# Altium PCB higgs.PcbDoc (part 18 of 25)
Units mm, origin at the board's own origin, x right, y up, seen from the top; angles counter-clockwise.
Board outline 160 x 160 mm, 15 copper layers (TOP, P1(GND), S1(V), P2(GND), S2(H), P3(GND), S3(V12/V2V5), S4(VDDR), P4(GND), S5(V), P5(GND), S6(H), P6(GND), P1(GND) (Plane1), BOT), stack 3.262 mm thick; 1283 components, 2419 nets, 11066 pads, 5487 vias.
Unrouted connection lines stored in the file: 239.
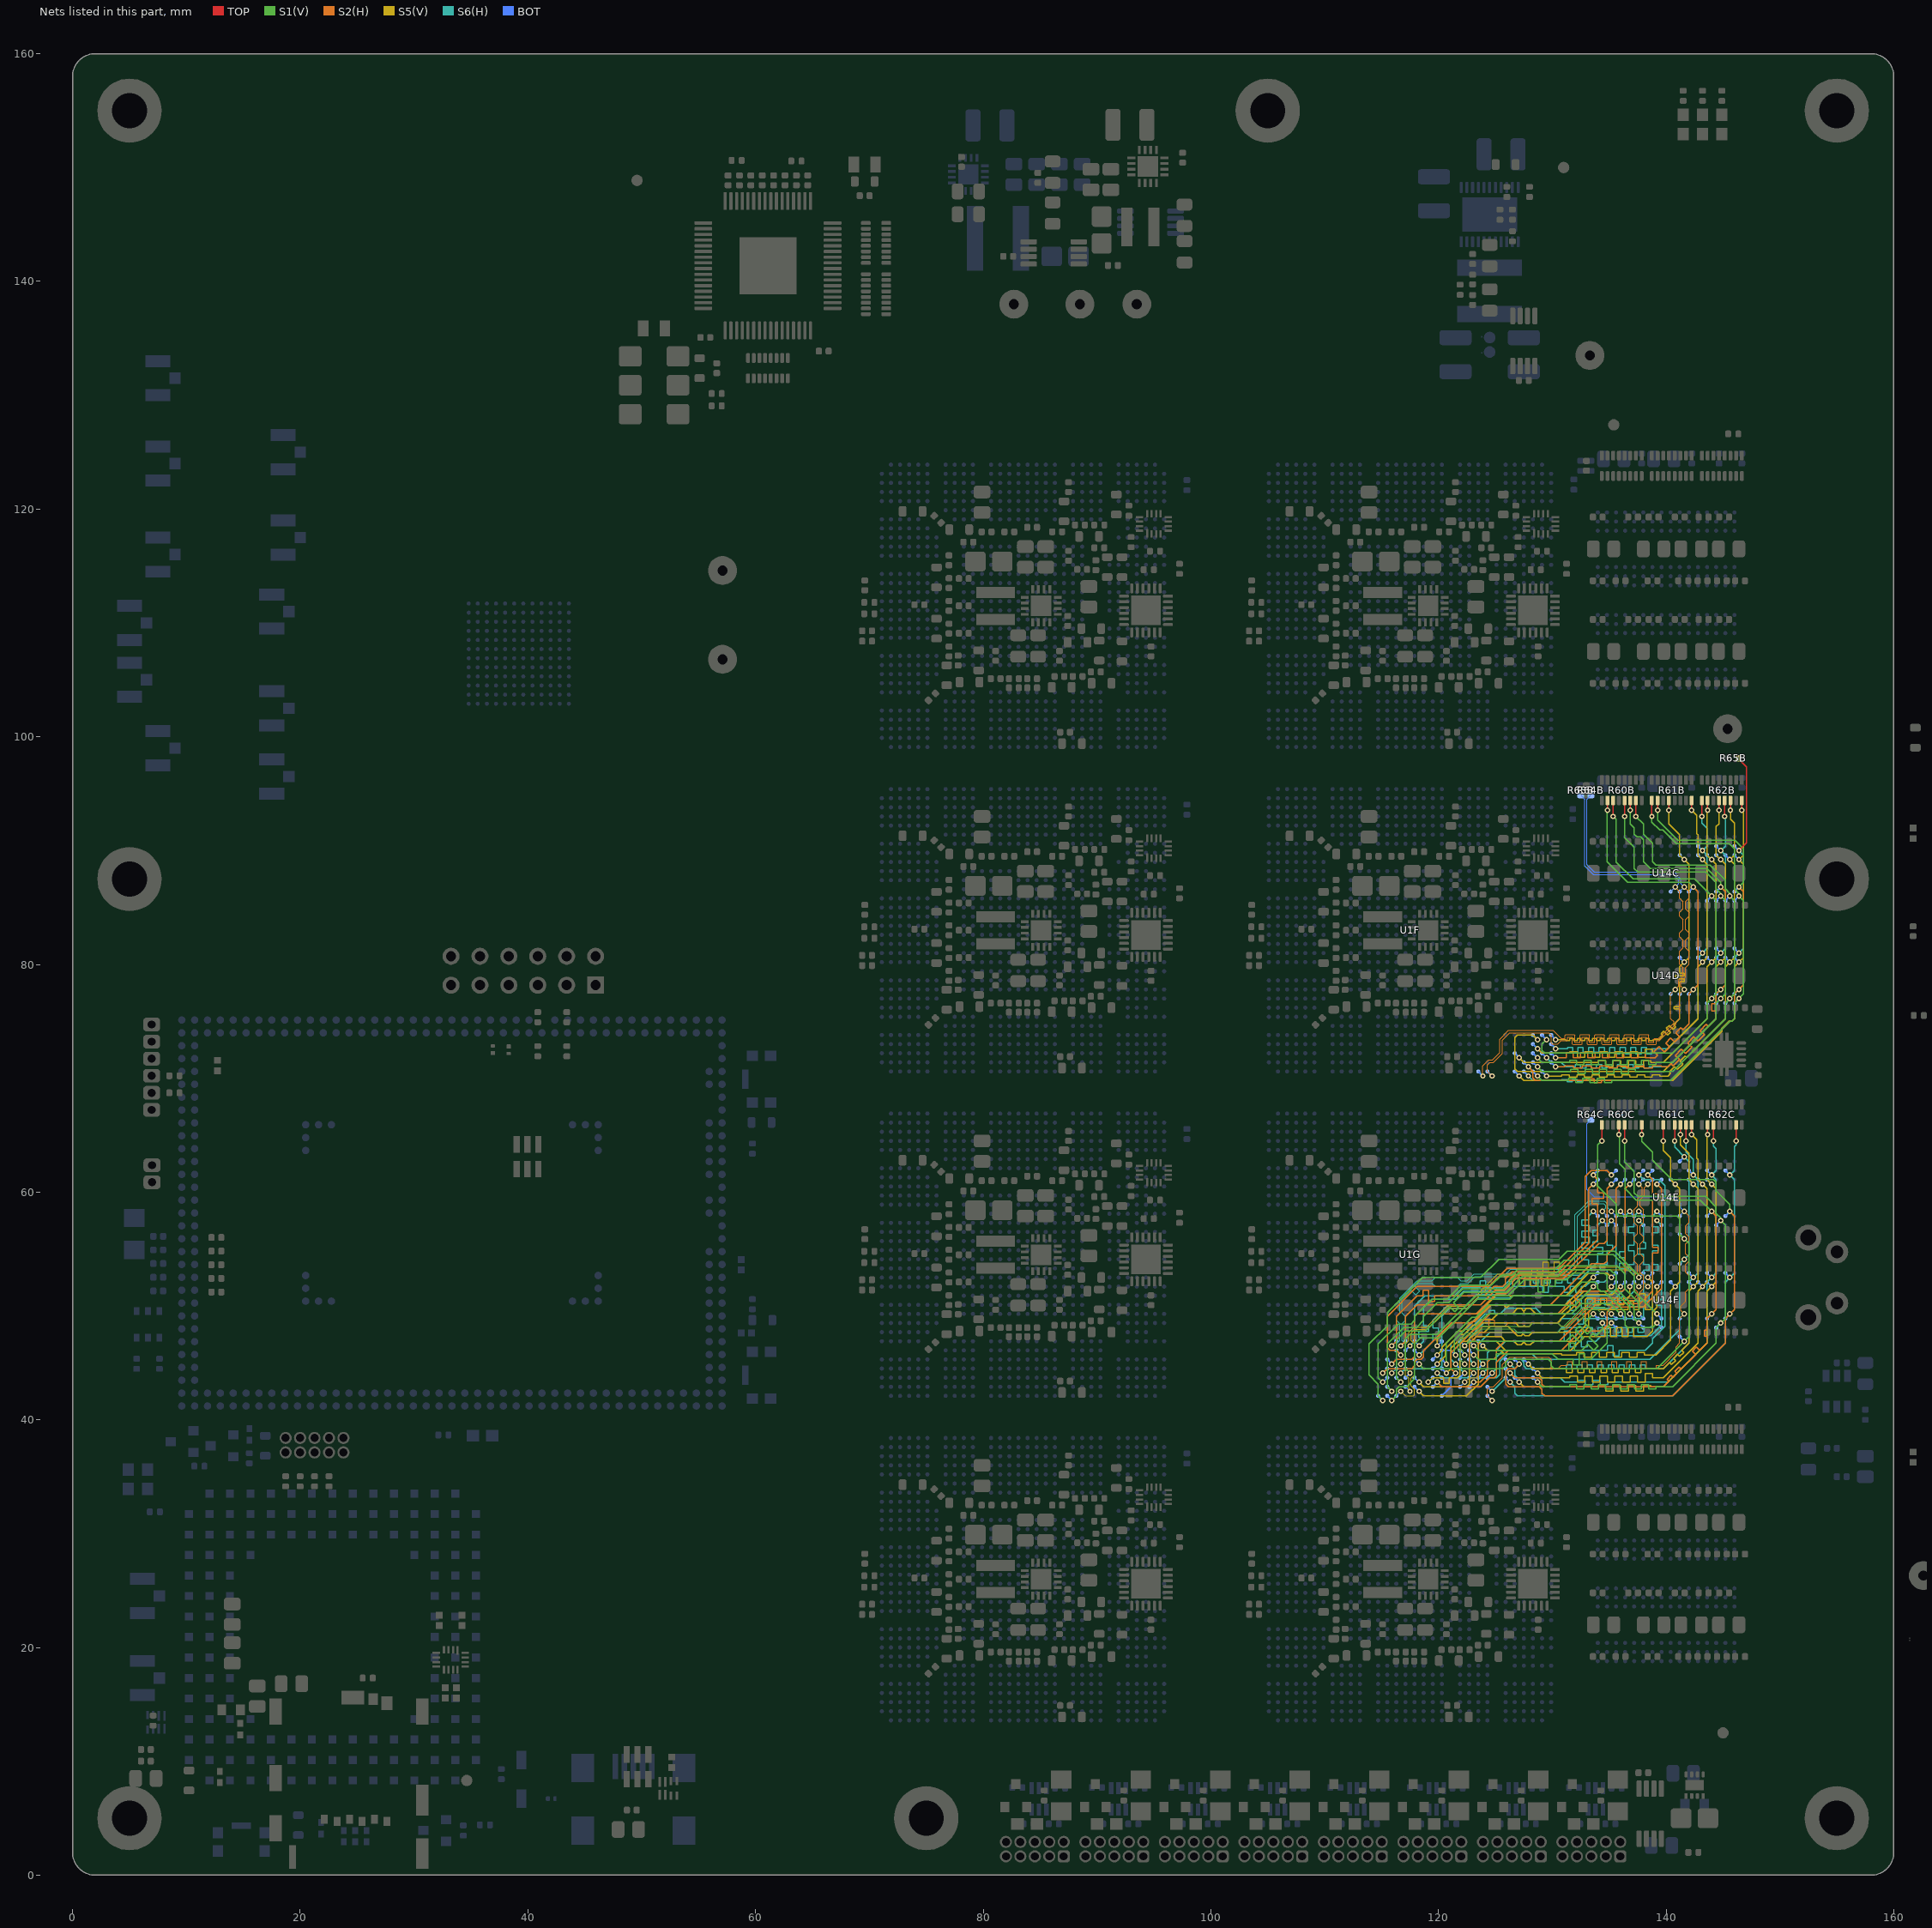
[diagram p31: the nets of this part, all layers, seen from the top]

## Via types
v1: diameter 0.483, hole 0.254, TOP to BOT, tented both sides, 5146 vias
v2: diameter 0.457, hole 0.254, TOP to BOT, tented both sides, 278 vias
v3: diameter 0.5, hole 0.25, TOP to BOT, 50 vias
v4: diameter 0.483/0/0/0/0.483/0/0/0.483 (per signal layer), hole 0.254, TOP to BOT, tented both sides, 7 vias
v5: diameter 0.483, hole 0.254, TOP to BOT, tented bottom, 5 vias
v6: diameter 0.483, hole 0.254, TOP to BOT, 1 vias

## Nets (pads, with @x,y where several pads share a name; then routed paths per layer and width w, separated by ;. In a path a pad name is that pad's centre, name@x,y a point inside that pad or via, vN(x,y) a via of type N, cw(c..) or ccw(c..) an arc to the next point about the centre after c; other vN are vias at no path point) (continued)
IL34_31.TB.G8.D2_P: R62B.2 U1F.AH30 U14C.N3 U14D.N3 | length 43
  TOP w0.102: v1(143.65,93.55) R62B.2@143.65,94.405
  S5(V) w0.102: v1(127.1,71.8) 127.5,71.4 134.031,71.4 134.031,71.525 134.694,71.525 134.694,71.03 135.357,71.03 135.357,71.525 136.02,71.525 136.02,71.03 136.683,71.03 136.683,71.525 137.346,71.525 137.346,71.03 138.009,71.03 138.009,71.525 138.672,71.525 138.672,71.4 139.766,71.4 143.6,75.234 143.6,79.8 v1(144,80.2) 144.4,80.6 144.4,88.8 v1(144,89.2) 143.6,89.6 143.6,93.5 v1(143.65,93.55)
  BOT w0.102: U1F.AH30@126.7,72.2 v1(127.1,71.8) ; U14D.N3@143.6,80.6 v1(144,80.2) ; U14C.N3@143.6,89.6 v1(144,89.2)
IL34_31.TB.G8.D3_N: R60B.5 U1F.AK30 U14C.P8 U14D.P8 | length 50.4
  TOP w0.102: v1(136.35,93) R60B.5@136.35,94.405
  S1(V) w0.102: v1(128.7,71.8) 129.1,71.4 131.516,71.4 131.516,71.59 132.149,71.59 132.149,71.21 132.782,71.21 132.782,71.59 133.415,71.59 133.415,71.21 134.048,71.21 134.048,71.59 134.681,71.59 134.681,71.21 135.314,71.21 135.314,71.59 135.947,71.59 135.947,71.21 136.58,71.21 136.58,71.59 137.213,71.59 137.213,71.21 137.846,71.21 137.846,71.59 138.479,71.59 138.479,71.21 139.112,71.21 139.112,71.4 140.567,71.4 144.4,75.234 144.4,76.6 v1(144.801,77) 145.201,77.4 145.201,85.6 v1(144.801,86) 144.801,86.234 144.401,86.634 144.401,86.9 144.4,87.2 143.486,88.114 137.517,88.114 137.2,88.431 137.2,90.3 136.35,91.15 v1(136.35,93)
  BOT w0.102: U1F.AK30@128.3,72.2 v1(128.7,71.8) ; U14D.P8@144.401,76.6 v1(144.801,77) ; U14C.P8@144.401,85.6 v1(144.801,86)
IL34_31.TB.G8.D3_P: R61B.8 U1F.AK29 U14C.M3 U14D.M3 | length 43
  TOP w0.102: v1(142.25,93.55) R61B.8@142.25,94.405
  S5(V) w0.102: v1(128.7,72.6) 129.1,72.2 131.531,72.2 131.531,72.33 132.194,72.33 132.194,71.83 132.857,71.83 132.857,72.33 133.52,72.33 133.52,71.83 134.183,71.83 134.183,72.33 134.846,72.33 134.846,71.83 135.509,71.83 135.509,72.33 136.172,72.33 136.172,71.83 136.835,71.83 136.835,72.33 137.498,72.33 137.498,71.83 138.161,71.83 138.161,72.57 138.824,72.57 138.824,72.2 139.766,72.2 142.8,75.234 142.8,79.8 v1(143.2,80.2) 143.6,80.6 143.6,88.8 v1(143.2,89.2) 142.8,89.6 142.8,91.384 142.7,91.484 142.7,93.1 v1(142.25,93.55)
  BOT w0.102: U1F.AK29@128.3,73 v1(128.7,72.6) ; U14D.M3@142.8,80.6 v1(143.2,80.2) ; U14C.M3@142.8,89.6 v1(143.2,89.2)
IL34_31.TB.G13.C_N: R64B.2 U1F.AE32 U14C.K7 U14D.K7 | length 59.8
  S2(H) w0.089: v1(124.7,70.2) 124.3,70.6 124.3,71.166 124.534,71.4 124.822,71.4 125.601,72.179 125.601,73.356 126.242,73.997 129.703,73.997 129.9,73.8 129.9,73.1 130,73 130.466,73 130.762,73.297 131.268,73.297 131.328,73.356 131.328,73.627 131.775,73.627 131.775,73.026 131.835,72.967 132.569,72.967 132.628,73.026 132.628,73.627 133.076,73.627 133.076,73.026 133.135,72.967 133.87,72.967 133.929,73.026 133.929,73.627 134.376,73.627 134.376,73.026 134.436,72.967 135.17,72.967 135.23,73.026 135.23,73.627 135.677,73.627 135.677,73.026 135.736,72.967 136.471,72.967 136.53,73.026 136.53,73.627 136.977,73.627 136.977,73.026 137.037,72.967 137.771,72.967 137.831,73.026 137.831,73.627 138.278,73.627 138.278,73.026 138.337,72.967 139.072,72.967 139.131,73.026 139.131,73.297 139.404,73.297 140.88,74.773 140.88,74.914 141.2,75.234 141.2,77.4 v1(141.6,77.8) 141.302,78.098 141.302,78.5 141.7,78.898 141.7,79 141.702,79.002 141.702,79.736 142,80.035 142,81.166 141.702,81.464 141.702,82.136 142,82.435 142,82.766 141.702,83.064 141.702,83.936 142,84.234 142,84.565 141.702,84.864 141.702,85.536 142,85.834 142,86.4 v1(141.6,86.8)
  BOT w0.089: R64B.2@133.4,94.855 133.052,94.507 133.052,88.748 133.696,88.103 140.683,88.103 141.302,87.484 141.302,87.098 v1(141.6,86.8) U14C.K7@141.2,86.4 ; U14D.K7@141.2,77.4 v1(141.6,77.8)
  BOT w0.102: U1F.AE32@124.3,70.6 v1(124.7,70.2)
IL34_31.TB.G13.C_P: R63B.2 U1F.AD32 U14C.J7 U14D.J7 | length 59
  S2(H) w0.089: v1(123.9,70.2) 123.9,71.1 124.403,71.603 124.738,71.603 125.398,72.263 125.398,73.44 126.158,74.2 130.066,74.2 130.766,73.5 131.125,73.5 131.125,73.77 131.184,73.83 131.919,73.83 131.978,73.77 131.978,73.17 132.425,73.17 132.425,73.77 132.485,73.83 133.219,73.83 133.279,73.77 133.279,73.17 133.726,73.17 133.726,73.77 133.785,73.83 134.52,73.83 134.579,73.77 134.579,73.17 135.026,73.17 135.026,73.77 135.086,73.83 135.82,73.83 135.88,73.77 135.88,73.17 136.327,73.17 136.327,73.77 136.387,73.83 137.121,73.83 137.181,73.77 137.181,73.17 137.628,73.17 137.628,73.77 137.687,73.83 138.422,73.83 138.481,73.77 138.481,73.17 138.928,73.17 138.928,73.44 138.988,73.5 139.32,73.5 140.677,74.857 140.677,74.957 140.4,75.234 140.4,77.4 v1(140.8,77.8) 141.099,78.098 141.099,78.584 141.497,78.982 141.497,79.084 141.499,79.086 141.499,79.736 141.2,80.035 141.2,81.166 141.499,81.464 141.499,82.136 141.2,82.435 141.2,82.766 141.499,83.064 141.499,83.936 141.2,84.234 141.2,84.565 141.499,84.864 141.499,85.536 141.2,85.834 141.2,86.4 v1(140.8,86.8)
  BOT w0.089: R63B.2@132.5,94.855 132.848,94.507 132.848,88.663 133.612,87.9 140.599,87.9 141.099,87.4 141.099,87.098 v1(140.8,86.8) U14C.J7@140.4,86.4 ; U14D.J7@140.4,77.4 v1(140.8,77.8)
  BOT w0.102: U1F.AD32@123.5,70.6 v1(123.9,70.2)
IL34_31.TB.G13.D0_N: R62B.1 U1F.AM29 U14C.M2 U14D.M2 | length 42.9
  TOP w0.102: v1(143.15,93) R62B.1@143.15,94.405
  S6(H) w0.102: v1(130.3,72.6) 131.331,72.6 131.331,72.695 131.794,72.695 131.794,72.285 132.257,72.285 132.257,72.695 132.72,72.695 132.72,72.285 133.183,72.285 133.183,72.695 133.646,72.695 133.646,72.285 134.109,72.285 134.109,72.695 134.572,72.695 134.572,72.258 135.035,72.258 135.035,72.695 135.498,72.695 135.498,72.16 135.961,72.16 135.961,72.695 136.424,72.695 136.424,72.16 136.887,72.16 136.887,72.695 137.35,72.695 137.35,72.16 137.813,72.16 137.813,72.695 138.276,72.695 138.276,72.16 138.739,72.16 138.739,72.6 140.166,72.6 142.8,75.234 142.8,80.6 v1(143.2,81) 143.6,81.4 143.6,89.6 v1(143.2,90) 143.6,90.4 143.6,91.984 143.15,92.434 v1(143.15,93)
  BOT w0.102: U1F.AM29@129.9,73 v1(130.3,72.6) ; U14D.M2@142.8,81.4 v1(143.2,81) ; U14C.M2@142.8,90.4 v1(143.2,90)
IL34_31.TB.G13.D0_P: R61B.4 U1F.AM28 U14C.K3 U14D.K3 | length 43.2
  TOP w0.102: v1(140.25,93.55) R61B.4@140.25,94.405
  S5(V) w0.102: v1(130.3,73.4) 131.199,73.4 131.199,73.305 131.532,73.305 131.532,73.495 131.865,73.495 131.865,73.305 132.198,73.305 132.198,73.495 132.531,73.495 132.531,73.305 132.864,73.305 132.864,73.495 133.197,73.495 133.197,73.305 133.53,73.305 133.53,73.495 133.863,73.495 133.863,73.305 134.196,73.305 134.196,73.495 134.529,73.495 134.529,73.305 134.862,73.305 134.862,73.495 135.195,73.495 135.195,73.305 135.528,73.305 135.528,73.495 135.861,73.495 135.861,73.305 136.194,73.305 136.194,73.495 136.527,73.495 136.527,73.305 136.86,73.305 136.86,73.495 137.193,73.495 137.193,73.305 137.526,73.305 137.526,73.495 137.859,73.495 137.859,73.305 138.192,73.305 138.192,73.495 138.525,73.495 138.525,73.305 138.858,73.305 138.858,73.4 139.366,73.4 139.719,73.753 139.554,73.918 139.79,74.154 140.139,73.804 140.375,74.04 140.025,74.389 140.261,74.625 140.61,74.275 140.846,74.511 140.661,74.695 141.2,75.234 141.2,76.092 140.705,76.092 140.705,76.295 141.2,76.295 141.2,78.48 141.58,78.48 141.58,78.733 140.82,78.733 140.82,78.986 141.58,78.986 141.58,79.239 141.2,79.239 141.2,79.8 v1(141.6,80.2) 142,80.6 142,88.8 v1(141.6,89.2) 141.2,89.6 141.2,91.4 140.25,92.35 v1(140.25,93.55)
  BOT w0.102: U1F.AM28@129.9,73.8 v1(130.3,73.4) ; U14D.K3@141.2,80.6 v1(141.6,80.2) ; U14C.K3@141.2,89.6 v1(141.6,89.2)
IL34_31.TB.G13.D1_N: R62B.4 U1F.AK28 U14C.P3 U14D.P3 | length 46.3
  TOP w0.102: v1(144.65,93.55) R62B.4@144.65,94.405
  S5(V) w0.102: v1(128.7,73.4) 128.301,73.799 126.935,73.799 126.701,73.565 126.701,70.835 126.935,70.601 127.699,70.601 ; v1(144.65,93.55) 144.65,92.349 144.4,92.1 144.4,90.1 144.401,89.6 v1(144.801,89.2) 145.201,88.8 145.201,80.6 v1(144.801,80.2) 144.4,79.8 144.4,75.234 139.767,70.6 127.7,70.6 ; 127.699,70.601 127.7,70.6
  BOT w0.102: U1F.AK28@128.3,73.8 v1(128.7,73.4) ; U14D.P3@144.401,80.6 v1(144.801,80.2) ; U14C.P3@144.401,89.6 v1(144.801,89.2)
IL34_31.TB.G13.D1_P: R60B.3 U1F.AL28 U14C.N8 U14D.N8 | length 45.1
  TOP w0.102: v1(135.35,93) R60B.3@135.35,94.405
  S1(V) w0.102: v1(129.5,73.4) 129.101,73.001 129.101,72.435 129.335,72.201 130.899,72.201 130.9,72.2 140.566,72.2 143.6,75.234 143.6,76.6 v1(144,77) 144.4,77.4 144.4,85.6 v1(144,86) 142.496,87.505 137.1,87.505 135.6,89.005 135.6,92.75 v1(135.35,93)
  BOT w0.102: U1F.AL28@129.1,73.8 v1(129.5,73.4) ; U14D.N8@143.6,76.6 v1(144,77) ; U14C.N8@143.6,85.6 v1(144,86)
IL34_31.TB.G13.D2_N: R65B.1 U1F.AJ32 U14C.T2 U14D.T2 | length 46.9
  TOP w0.102: R65B.1@146.345,98.08 147.074,97.351 147.074,90.674 v1(146.401,90)
  S6(H) w0.102: v1(127.9,70.2) 128.3,69.8 130.831,69.8 130.831,69.9 131.294,69.9 131.294,69.7 131.757,69.7 131.757,69.9 132.22,69.9 132.22,69.7 132.683,69.7 132.683,69.8 140.4,69.8 145.601,75.001 145.766,75.001 146.001,75.235 146.001,80.6 v1(146.401,81) 146.801,81.4 146.801,89.6 v1(146.401,90)
  BOT w0.102: U1F.AJ32@127.5,70.6 v1(127.9,70.2) ; U14D.T2@146.001,81.4 v1(146.401,81) ; U14C.T2@146.001,90.4 v1(146.401,90)
IL34_31.TB.G13.D2_P: R61B.1 U1F.AK32 U14C.T8 U14D.T8 | length 49.4
  TOP w0.102: v1(138.75,93) R61B.1@138.75,94.405
  S1(V) w0.102: v1(128.7,70.2) 129.1,69.8 131.416,69.8 131.416,69.99 132.049,69.99 132.049,69.61 132.682,69.61 132.682,69.99 133.315,69.99 133.315,69.61 133.948,69.61 133.948,69.99 134.581,69.99 134.581,69.61 135.214,69.61 135.214,69.8 140.4,69.8 145.601,75.001 145.766,75.001 146.001,75.235 146.001,76.6 v1(146.401,77) 146.801,77.4 146.801,85.6 v1(146.401,86) 146.401,86.234 146.001,86.634 146.001,86.9 146.001,90.166 145.567,90.6 140.9,90.6 139.7,91.8 139.431,91.8 138.75,92.481 v1(138.75,93)
  BOT w0.102: U1F.AK32@128.3,70.6 v1(128.7,70.2) ; U14D.T8@146.001,76.6 v1(146.401,77) ; U14C.T8@146.001,85.6 v1(146.401,86)
IL34_31.TB.G13.D3_N: R62B.5 U1F.AL30 U14C.P2 U14D.P2 | length 42.8
  TOP w0.102: v1(145.15,93) R62B.5@145.15,94.405
  S6(H) w0.102: v1(129.5,71.8) 129.9,71.4 130.8,71.4 131.2,71 132.031,71 132.031,71.21 132.494,71.21 132.494,70.905 132.957,70.905 132.957,71.21 133.42,71.21 133.42,70.905 133.883,70.905 133.883,71.21 134.346,71.21 134.346,70.905 134.809,70.905 134.809,71.21 135.272,71.21 135.272,70.905 135.735,70.905 135.735,71.21 136.198,71.21 136.198,70.905 136.661,70.905 136.661,71.21 137.124,71.21 137.124,70.905 137.587,70.905 137.587,71.21 138.05,71.21 138.05,70.905 138.513,70.905 138.513,71 140.167,71 144.4,75.234 144.4,80.6 v1(144.801,81) 145.201,81.4 145.201,89.6 v1(144.801,90) 145.201,90.4 145.201,92.949 v1(145.15,93)
  BOT w0.102: U1F.AL30@129.1,72.2 v1(129.5,71.8) ; U14D.P2@144.401,81.4 v1(144.801,81) ; U14C.P2@144.401,90.4 v1(144.801,90)
IL34_31.TB.G13.D3_P: R60B.2 U1F.AM30 U14C.L7 U14D.L7 | length 49.6
  TOP w0.102: v1(134.85,93.55) R60B.2@134.85,94.405
  S1(V) w0.102: v1@134.799,93.55 134.799,89.035 136.634,87.2 142,87.2 v1(142.4,86.8)
  S2(H) w0.102: v1(130.3,71.8) 131.216,71.8 131.216,72.26 131.849,72.26 131.849,71.8 132.482,71.8 132.482,72.26 133.115,72.26 133.115,71.8 133.748,71.8 133.748,72.26 134.381,72.26 134.381,71.8 135.014,71.8 135.014,72.26 135.647,72.26 135.647,71.8 136.28,71.8 136.28,72.26 136.913,72.26 136.913,71.8 137.546,71.8 137.546,72.26 138.179,72.26 138.179,71.8 139.025,71.8 139.249,72.024 138.924,72.349 139.371,72.797 139.882,72.286 140.329,72.734 140.144,72.919 139.962,73.101 140.41,73.549 140.592,73.367 140.777,73.181 141.225,73.629 141.039,73.814 140.857,73.996 141.305,74.444 141.487,74.262 142,74.775 142,75.375 142,77.4 v1(142.4,77.8) 142.8,78.2 142.8,86.4 v1(142.4,86.8)
  BOT w0.102: U1F.AM30@129.9,72.2 v1(130.3,71.8) ; U14D.L7@142,77.4 v1(142.4,77.8) ; U14C.L7@142,86.4 v1(142.4,86.8)
IL34_31.TB.G13.D4_N: R61B.2 U1F.AJ31 U14C.T7 U14D.T7 | length 49.5
  TOP w0.102: v1(139.25,93.55) R61B.2@139.25,94.405
  S1(V) w0.102: v1@139.3,93.55 139.25,93.5 139.25,92.681 141.026,90.905 146.062,90.905 146.801,90.166 146.801,87.2 v1(146.401,86.8)
  S2(H) w0.102: v1(127.9,71) 128.3,70.6 128.3,70.034 128.534,69.8 133.014,69.8 133.014,69.97 133.677,69.97 133.677,69.63 134.34,69.63 134.34,69.8 140.4,69.8 145.601,75.001 145.766,75.001 146.001,75.235 146.001,77.4 v1(146.401,77.8) 146.801,78.2 146.801,86.4 v1(146.401,86.8)
  BOT w0.102: U1F.AJ31@127.5,71.4 v1(127.9,71) ; U14D.T7@146.001,77.4 v1(146.401,77.8) ; U14C.T7@146.001,86.4 v1(146.401,86.8)
IL34_31.TB.G13.D4_P: R60B.7 U1F.AK31 U14C.R8 U14D.R8 | length 49.6
  TOP w0.102: v1(137.35,93) R60B.7@137.35,94.405
  S1(V) w0.102: v1(128.7,71) 129.1,70.6 131.616,70.6 131.616,70.79 132.249,70.79 132.249,70.41 132.882,70.41 132.882,70.79 133.515,70.79 133.515,70.41 134.148,70.41 134.148,70.79 134.781,70.79 134.781,70.41 135.414,70.41 135.414,70.79 136.047,70.79 136.047,70.41 136.68,70.41 136.68,70.79 137.313,70.79 137.313,70.6 140.567,70.6 145.201,75.234 145.201,76.6 v1(145.601,77) 146.001,77.4 146.001,85.6 v1(145.601,86) 145.601,86.234 145.201,86.634 145.201,86.8 145.201,87.4 143.877,88.724 139.111,88.724 138.8,89.035 138.8,90.635 138,91.435 138,92.35 v1(137.35,93)
  BOT w0.102: U1F.AK31@128.3,71.4 v1(128.7,71) ; U14D.R8@145.201,76.6 v1(145.601,77) ; U14C.R8@145.201,85.6 v1(145.601,86)
IL34_31.TB.G13.D5_N: R62B.6 U1F.AL32 U14C.R3 U14D.R3 | length 43
  TOP w0.102: v1(145.65,93.55) R62B.6@145.65,94.405
  S5(V) w0.102: v1(129.5,70.2) 130.831,70.2 130.831,70.295 131.494,70.295 131.494,70.105 132.157,70.105 132.157,70.295 132.82,70.295 132.82,70.105 133.483,70.105 133.483,70.295 134.146,70.295 134.146,70.105 134.809,70.105 134.809,70.295 135.472,70.295 135.472,70.105 136.135,70.105 136.135,70.295 136.798,70.295 136.798,70.105 137.461,70.105 137.461,70.295 138.124,70.295 138.124,70.105 138.787,70.105 138.787,70.295 139.45,70.295 139.45,70.2 140.167,70.2 140.401,70.434 140.274,70.562 140.743,71.031 140.87,70.903 140.997,70.776 141.466,71.245 141.339,71.372 141.211,71.499 141.68,71.968 141.807,71.841 145.201,75.234 145.201,79.8 v1(145.601,80.2) 146.001,80.6 146.001,88.8 v1(145.601,89.2) 146.001,89.6 146.001,92.399 145.65,92.75 v1(145.65,93.55)
  BOT w0.102: U1F.AL32@129.1,70.6 v1(129.5,70.2) ; U14D.R3@145.201,80.6 v1(145.601,80.2) ; U14C.R3@145.201,89.6 v1(145.601,89.2)
IL34_31.TB.G13.D5_P: R60B.6 U1F.AM31 U14C.P7 U14D.P7 | length 49.7
  TOP w0.102: v1(136.85,93.55) R60B.6@136.85,94.405
  S1(V) w0.102: v1@136.9,93.55 136.85,93.5 136.85,92.35 137.2,92 137.2,91.435 137.434,91.2 137.765,91.2 138,90.966 138,89.2 ; 138,89.2 138,89.035 138.615,88.419 143.612,88.419 144.801,87.231 v1(144.801,86.8)
  S2(H) w0.102: v1(130.3,71) 131.086,71 131.086,71.095 131.859,71.095 131.859,70.905 132.632,70.905 132.632,71.095 133.405,71.095 133.405,70.905 134.178,70.905 134.178,71.095 134.951,71.095 134.951,70.905 135.724,70.905 135.724,71.095 136.497,71.095 136.497,70.905 137.27,70.905 137.27,71.095 138.043,71.095 138.043,70.905 138.816,70.905 138.816,71.095 139.589,71.095 139.589,71 140.167,71 140.44,71.273 140.624,71.089 141.171,71.635 140.986,71.82 140.802,72.004 141.348,72.551 141.533,72.366 141.718,72.182 142.264,72.729 142.08,72.913 141.895,73.098 142.442,73.644 142.811,73.275 143.357,73.822 142.988,74.191 143.535,74.737 143.719,74.553 144.4,75.234 144.4,75.4 144.401,75.917 144.011,75.917 144.011,76.55 144.401,76.55 144.401,77.4 v1(144.801,77.8) 145.201,78.2 145.201,86.4 v1(144.801,86.8)
  BOT w0.102: U1F.AM31@129.9,71.4 v1(130.3,71) ; U14D.P7@144.401,77.4 v1(144.801,77.8) ; U14C.P7@144.401,86.4 v1(144.801,86.8)
IL34_31.TB.G13.D6: R62B.8 U1F.AH32 U14C.T3 U14D.T3 | length 43.1
  TOP w0.102: v1(146.65,93.55) R62B.8@146.65,94.405
  S5(V) w0.102: v1(127.1,70.2) 127.5,69.8 140.567,69.8 144.9,74.133 ; 144.9,74.1 144.9,74.133 ; v1(146.65,93.55) 146.801,93.399 146.801,89.6 v1(146.401,89.2) 146.801,88.8 146.801,80.6 v1(146.401,80.2) 146.001,79.8 146.001,75.234 145.767,75.001 145.501,75.001 144.9,74.4 144.9,74.133
  BOT w0.102: U1F.AH32@126.7,70.6 v1(127.1,70.2) ; U14D.T3@146.001,80.6 v1(146.401,80.2) ; U14C.T3@146.001,89.6 v1(146.401,89.2)
IL34_32.LR.G0.D0_N: U1G.P29 U14E.D3 | length 32.7
  S2(H) w0.102: v1(115.1,44.1) 115.5,44.5 117.666,44.5 117.9,44.734 117.9,45.066 118.134,45.3 118.466,45.3 118.7,45.534 118.7,46.069 121.131,48.5 122.94,48.5 124.54,50.1 129.85,50.1 133.45,53.7 134.565,53.7 134.799,53.935 134.799,54.5 135.6,55.301 135.6,60.3 v1(136,60.7)
  BOT w0.102: v1(115.1,44.1) U1G.P29@115.5,44.5 ; v1(136,60.7) U14E.D3@136.4,61.1
IL34_32.LR.G0.D0_P: U1G.P28 U14E.C3 | length 32
  S2(H) w0.102: v1(115.9,44.9) 116.3,45.3 117.666,45.3 117.9,45.534 117.9,49.066 118.134,49.3 119.5,49.3 123.309,49.3 125.099,51.09 125.918,51.09 126.51,51.682 126.51,52.143 126.752,52.386 130.973,52.386 134.087,55.5 134.565,55.5 134.799,55.734 134.799,56 ; 134.799,56 134.799,60.3 v1(135.199,60.7)
  BOT w0.102: U1G.P28@115.5,45.3 v1(115.9,44.9) ; v1(135.199,60.7) U14E.C3@135.599,61.1
IL34_32.LR.G0.D1_N: U1G.T26 U14E.A2 | length 31.6
  S2(H) w0.102: v1(116.7,46.5) 117.1,46.9 117.1,49.066 118.134,50.1 123.678,50.1 124.973,51.395 125.792,51.395 126.205,51.808 126.205,52.269 126.626,52.69 130.847,52.69 133.999,55.843 133.999,58.943 133.504,58.943 133.504,59.446 134.495,59.446 134.495,59.949 133.999,59.949 133.999,61.1 v1(133.599,61.5)
  BOT w0.102: v1(116.7,46.5) U1G.T26@117.1,46.9 ; v1(133.599,61.5) U14E.A2@133.999,61.9
IL34_32.LR.G0.D1_P: U1G.R26 U14E.A3 | length 31.1
  S2(H) w0.102: v1(115.9,46.5) 116.3,46.9 116.3,48.8 116.3,49.066 118.134,50.9 118.651,50.9 118.651,51.395 119.154,51.395 119.154,50.405 119.657,50.405 119.657,50.9 124.047,50.9 124.847,51.7 125.666,51.7 125.9,51.934 125.9,52.395 126.5,52.995 130.721,52.995 133.199,55.474 133.199,60.3 v1(133.599,60.7)
  BOT w0.102: v1(115.9,46.5) U1G.R26@116.3,46.9 ; v1(133.599,60.7) U14E.A3@133.999,61.1
IL34_32.LR.G0.D2_N: U1G.T27 U14E.A7 | length 32.9
  S6(H) w0.102: v1(117.5,46.5) 117.9,46.9 117.9,50 118.8,50.9 121.4,50.9 122.1,51.6 123.651,51.6 123.651,52.2 124.154,52.2 124.154,51.6 125.569,51.6 126.674,52.705 132.405,52.705 133.199,53.499 133.199,54.052 132.6,54.052 132.6,54.555 133.266,54.555 133.266,55.058 132.6,55.058 132.6,55.561 133.255,55.561 133.255,56.063 132.6,56.063 132.6,56.566 133.255,56.566 133.255,57.069 132.6,57.069 132.6,57.572 133.199,57.572 133.199,57.9 v1(133.599,58.3)
  BOT w0.102: U1G.T27@117.1,46.1 v1(117.5,46.5) ; v1(133.599,58.3) U14E.A7@133.999,57.9
IL34_32.LR.G0.D2_P: U1G.R27 U14E.C2 | length 33.9
  S2(H) w0.102: v1(116.7,45.7) 116.3,46.1 115.736,46.1 115.501,46.335 115.501,46.499 115.5,46.5 115.5,49.066 118.134,51.7 124.416,51.7 126.016,53.3 130.594,53.3 132.894,55.6 132.894,61.361 133.434,61.9 134.799,61.9 v1(135.199,61.5)
  BOT w0.102: U1G.R27@116.3,46.1 v1(116.7,45.7) ; v1(135.199,61.5) U14E.C2@135.599,61.9
IL34_32.LR.G0.D3_N: U1G.U26 U14E.B8 | length 33
  S6(H) w0.102: v1(118.3,46.5) 118.7,46.9 118.7,47.243 118.26,47.243 118.26,47.746 119.14,47.746 119.14,48.249 118.7,48.249 118.7,49.866 119.43,50.595 121.526,50.595 122.226,51.295 125.695,51.295 126.8,52.4 128.328,52.4 128.328,52.005 128.831,52.005 128.831,52.4 129.334,52.4 129.334,52.005 129.837,52.005 129.837,52.4 130.34,52.4 130.34,52.005 130.843,52.005 130.843,52.4 131.346,52.4 131.346,52.005 131.849,52.005 131.849,52.4 132.531,52.4 133.999,53.868 133.999,54.637 134.439,54.637 134.439,55.14 133.56,55.14 133.56,55.643 133.999,55.643 133.999,56.146 133.56,56.146 133.56,56.649 133.999,56.649 133.999,57.1 v1(134.399,57.5)
  BOT w0.102: U1G.U26@117.9,46.9 v1(118.3,46.5) ; v1(134.399,57.5) U14E.B8@134.799,57.1
IL34_32.LR.G0.D3_P: U1G.U27 U14E.C8 | length 32.9